# KiCad board klofi.kicad_pcb (continued)
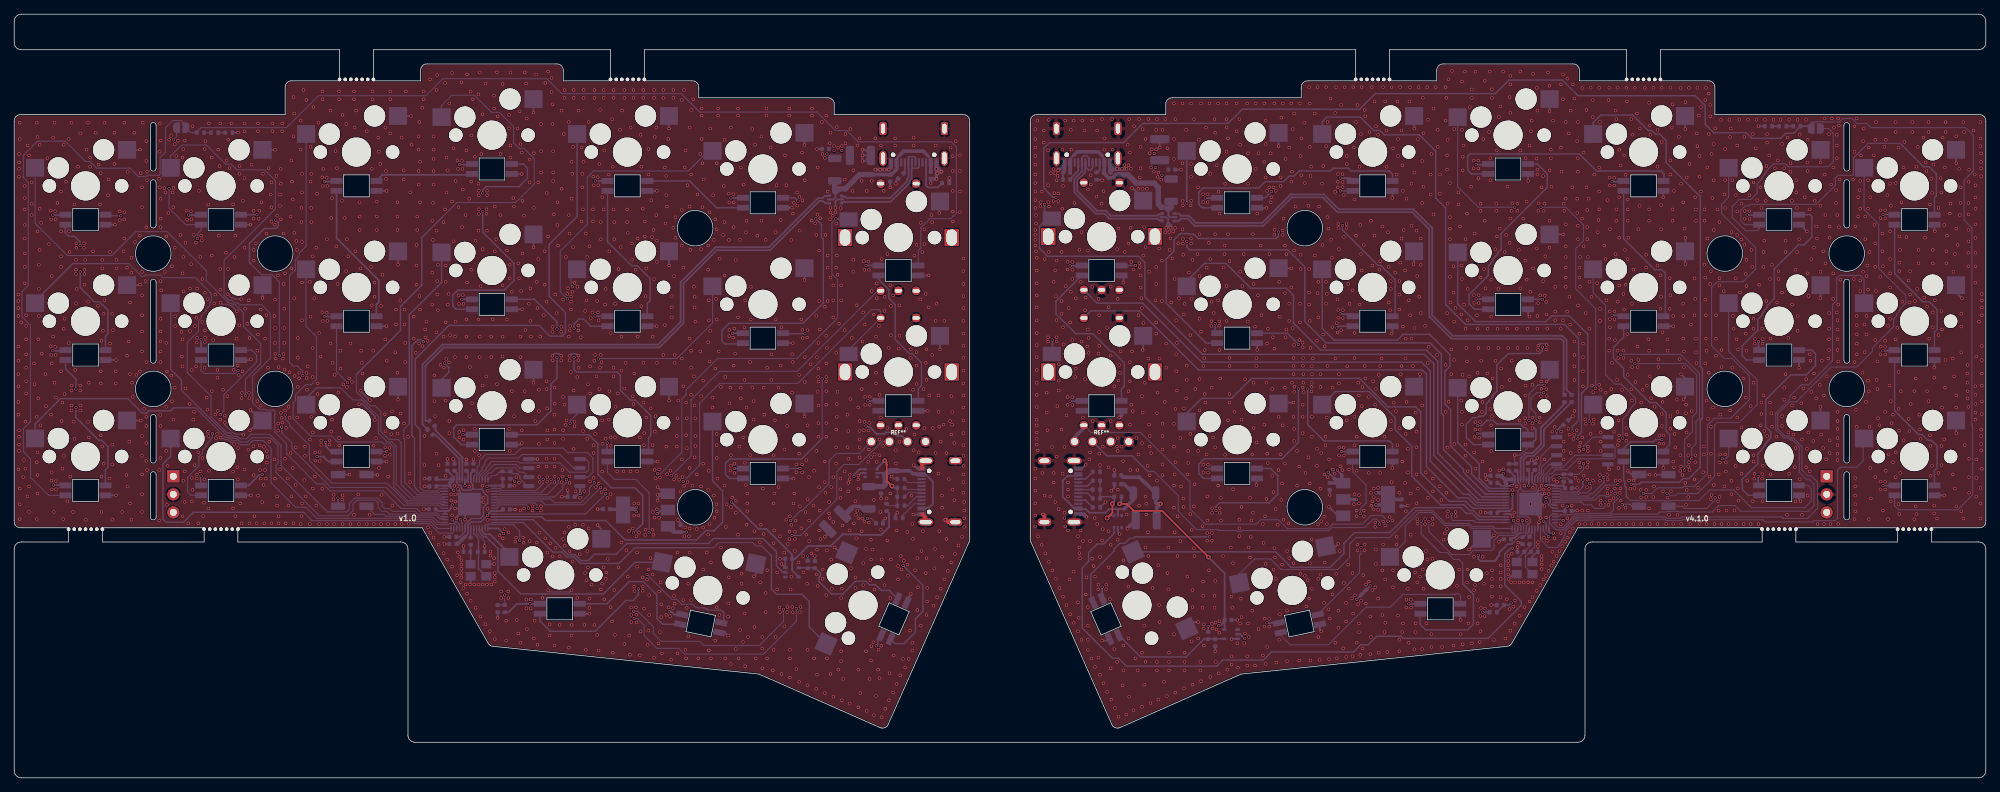
[diagram p0: board, top side]
## Routing (per net, layer and track width the routed paths; a pad name or vN(x,y) marks a point on that pad's centre or on a via; arc(x,y) is an arc through that point) (continued)
v1(83.88,39.92) v1(83.88,24.02) v1(84.08,92.72) v1(84.08,22.02) v1(84.18,86.02) v1(84.18,17.62) v1(84.28,96.82) v1(84.28,95.72) v1(84.28,80.02) v1(84.28,57.72) v1(84.28,56.52) v1(84.38,78.22) v1(84.38,75.82) v1(84.38,26.42) v1(84.48,66.72) v1(84.48,47.92) v1(84.48,20.12) v1(84.58,52.22) v1(84.78,43.15) v1(84.88,54.12) v1(84.98,71.62) v1(84.98,29.62) v1(85.18,91.22) v1(85.28,74.72) v1(85.38,62.12) v1(85.38,57.32) v1(85.38,33.12) v1(85.48,93.92) v1(85.67,43.15) v1(85.78,96.82) v1(85.78,95.72) v1(85.78,54.82) v1(85.78,18.82) v1(85.98,58.42) v1(86.08,32.02) v1(86.18,80.02) v1(86.18,78.22) v1(86.28,76.72) v1(86.28,28.32) v1(86.45,34.75) v1(86.48,20.02) v1(86.58,17.32) v1(86.68,91.52) v1(86.68,43.15) v1(86.74,23.96) v1(86.78,22.92) v1(86.78,21.92) v1(86.88,75.22) v1(86.88,72.92) v1(86.98,53.72) v1(86.96,35.1) v1(87.08,96.82) v1(87.08,95.72) v1(87.08,52.62) v1(87.18,56.92) v1(87.18,38.62) v1(87.18,36.92) v1(87.16,26.92) v1(87.24,26.3) v1(87.38,71.52) v1(87.42,23.99) v1(87.48,34.01) v1(87.5,22.95) v1(87.5,21.88) v1(87.57,43.15) v1(87.58,31.72) v1(87.58,29.72) v1(87.68,75.92) v1(87.68,62.12) v1(87.78,38.62) v1(87.78,36.92) v1(87.85,34.52) v1(87.98,47.92) v1(87.98,17.22) v1(88.08,90.52) v1(88.08,20.62) v1(88.18,86.02) v1(88.18,66.42) v1(88.38,80.12) v1(88.38,28.22) v1(88.38,26.94) v1(88.38,26.32) v1(88.48,96.82) v1(88.48,95.72) v1(88.48,58.42) v1(88.48,52.82) v1(88.58,48.52) v1(88.57,46.82) v1(88.58,23.82) v1(88.68,78.32) v1(88.68,76.22) v1(88.74,34.2) v1(88.78,67.82) v1(88.78,34.92) v1(88.88,71.72) v1(88.88,50.72) v1(88.98,27.92) v1(89.08,18.72) v1(89.18,88.52) v1(89.18,84.92) v1(89.18,29.32) v1(89.18,20.72) v1(89.28,25.72) v1(89.28,22.92) v1(89.48,52.02) v1(89.48,30.92) v1(89.58,81.32) v1(89.68,76.12) v1(89.78,62.12) v1(89.78,46.82) v1(89.81,37.41) v1(89.78,34.92) v1(89.78,28.62) v1(89.88,77.12) v1(89.88,34.22) v1(89.98,96.82) v1(89.98,95.72) v1(89.98,70.22) v1(90.05,43.34) v1(90.05,36.62) v1(89.98,16.92) v1(90.08,90.22) v1(90.08,48.72) v1(90.18,50.92) v1(90.18,42.17) v1(90.28,91.52) v1(90.28,79.22) v1(90.38,75.62) v1(90.38,72.62) v1(90.38,58.42) v1(90.37,37.8) v1(90.58,18.92) v1(90.68,43.42) v1(90.68,36.62) v1(90.68,26.22) v1(90.8,42.28) v1(90.78,20.52) v1(90.88,27.52) v1(90.98,24.42) v1(90.98,22.62) v1(91.08,17.52) v1(91.28,96.82) v1(91.28,95.72) v1(91.28,59.52) v1(91.48,85.92) v1(91.48,63.72) v1(91.58,78.02) v1(91.68,84.72) v1(91.68,82.02) v1(91.68,46.62) v1(91.67,22.94) v1(91.78,80.42) v1(91.79,42.75) v1(91.98,89.92) v1(92.01,24) v1(92.22,22.76) v1(92.28,43.22) v1(92.38,16.62) v1(92.48,67.82) v1(92.48,66.22) v1(92.48,64.82) v1(92.61,23.88) v1(92.68,96.82) v1(92.68,95.72) v1(92.68,77.42) v1(92.78,70.62) v1(92.78,42.02) v1(92.78,25.62) v1(92.88,59.52) v1(92.88,58.42) v1(92.88,24.52) v1(92.98,78.92) v1(92.98,76.02) v1(93.08,42.52) v1(93.18,48.12) v1(93.18,46.62) v1(93.28,50.62) v1(93.28,31.72) v1(93.28,17.52) v1(93.38,53.12) v1(93.49,41.95) v1(93.68,40.32) v1(93.88,95.42) v1(93.88,79.92) v1(93.88,74.92) v1(93.88,59.02) v1(93.88,44.82) v1(93.97,42.34) v1(94.08,71.82) v1(94.08,55.12) v1(94.08,25.02) v1(94.18,96.82) v1(94.2,41.11) v1(94.24,34.03) v1(94.28,85.92) v1(94.38,88.32) v1(94.36,35.25) v1(94.38,18.02) v1(94.48,52.82) v1(94.48,48.22) v1(94.48,16.82) v1(94.58,50.62) v1(94.58,46.42) v1(94.58,23.92) v1(94.68,83.42) v1(94.69,41.62) v1(94.86,34.01) v1(94.78,27.32) v1(94.78,19.92) v1(94.98,91.52) v1(94.98,80.42) v1(94.98,61.82) v1(94.98,43.62) v1(94.97,35.1) v1(94.98,31.72) v1(95.08,74.32) v1(95.18,94.02) v1(95.18,84.92) v1(95.18,60.12) v1(95.18,57.72) v1(95.18,53.92) v1(95.18,25.02) v1(95.38,41.12) v1(95.48,95.52) v1(95.58,69.12) v1(95.58,56.52) v1(95.68,67.72) v1(95.68,66.22) v1(95.68,52.42) v1(95.68,45.12) v1(95.78,64.22) v1(95.78,50.62) v1(95.78,48.12) v1(95.78,46.72) v1(95.98,42.72) v1(95.98,35.02) v1(96.08,82.12) v1(96.18,16.82) v1(96.48,87.82) v1(96.48,60.02) v1(96.58,74.42) v1(96.58,53.72) v1(96.58,41.02) v1(96.68,94.22) v1(96.68,93.22) v1(96.68,89.92) v1(96.78,86.52) v1(96.78,80.32) v1(96.88,55.92) v1(96.88,44.22) v1(96.88,35.22) v1(96.88,29.32) v1(96.98,84.22) v1(97.38,31.72) v1(97.58,74.92) v1(97.58,71.52) v1(97.58,61.32) v1(97.58,40.52) v1(97.58,34.22) v1(97.68,67.22) v1(97.68,64.42) v1(97.68,43.22) v1(97.68,17.95) v1(97.78,79.62) v1(97.78,58.62) v1(97.78,35.72) v1(97.88,91.42) v1(97.88,62.92) v1(97.98,30.32) v1(97.98,16.82) v1(98.18,53.52) v1(98.18,52.12) v1(98.28,82.02) v1(98.38,75.72) v1(98.38,39.72) v1(98.48,36.62) v1(98.58,78.62) v1(98.58,57.62) v1(98.58,19.32) v1(98.68,67.42) v1(98.76,38.52) v1(98.78,86.52) v1(98.78,77.22) v1(98.78,64.52) v1(98.78,48.42) v1(98.78,46.82) v1(98.78,45.02) v1(98.78,37.52) v1(98.78,24.02) v1(98.88,42.12) v1(98.98,94.22) v1(98.98,93.22) v1(99.08,60.02) v1(99.21,73.07) v1(99.18,22.92) v1(99.38,55.02) v1(99.38,32.42) v1(99.68,76.42) v1(99.78,83.32) v1(99.88,89.82) v1(99.88,78.22) v1(99.88,70.72) v1(99.88,41.12) v1(99.98,56.42) v1(99.98,16.82) v1(100.08,35.32) v1(100.18,38.52) v1(100.38,24.52) v1(100.38,22.72) v1(100.48,82.23) v1(100.55,81) v1(100.48,75.72) v1(100.56,63.03) v1(100.53,62.18) v1(100.48,28.22) v1(100.58,52.72) v1(100.68,54.92) v1(100.72,43.25) v1(100.78,91.52) v1(100.78,45.42) v1(100.78,43.92) v1(100.78,38.12) v1(100.78,16.02) v1(100.98,39.44) v1(101.1,82.15) v1(101.08,61.97) v1(101.18,81.02) v1(101.18,77.52) v1(101.18,58.02) v1(101.28,63.22) v1(101.28,44.22) v1(101.28,42.92) v1(101.38,59.72) v1(101.48,72.92) v1(101.48,39.02) v1(101.48,37.32) v1(101.48,18.12) v1(101.78,94.22) v1(101.78,93.22) v1(101.78,64.82) v1(101.78,34.22) v1(101.88,16.82) v1(101.98,46.62) v1(102.08,75.72) v1(102.08,20.82) v1(102.18,85.92) v1(102.18,54.92) v1(102.18,53.42) v1(102.28,28.72) v1(102.28,27.32) v1(102.48,47.92) v1(102.48,19.12) v1(102.58,83.52) v1(102.68,63.42) v1(102.68,56.02) v1(102.74,44.36) v1(102.68,23.12) v1(102.78,67.22) v1(102.78,15.72) v1(102.88,76.82) v1(102.88,41.22) v1(102.98,78.42) v1(102.98,52.12) v1(102.98,35.62) v1(103.08,40.02) v1(103.08,38.62) v1(103.08,37.52) v1(103.18,19.82) v1(103.48,58.52) v1(103.48,45.42) v1(103.58,69.12) v1(103.58,64.52) v1(103.78,91.32) v1(103.78,54.92) v1(103.98,53.02) v1(103.98,50.42) v1(104.08,34.72) v1(104.08,21.22) v1(104.18,89.12) v1(104.28,16.82) v1(104.48,76.32) v1(104.86,33.15) v1(104.88,27.52) v1(104.98,35.62) v1(105.08,90.32) v1(105.08,78.42) v1(105.18,19.82) v1(105.18,18.22) v1(105.18,15.42) v1(105.28,40.72) v1(105.38,54.92) v1(105.38,34.32) v1(105.48,51.12) v1(105.68,75.72) v1(105.68,26.02) v1(105.68,23.32) v1(105.78,94.22) v1(105.78,93.22) v1(105.88,57.72) v1(105.88,29.22) v1(105.88,16.82) v1(106.38,88.72) v1(106.48,59.62) v1(106.48,56.02) v1(106.68,15.12) v1(106.78,45.42) v1(106.78,38.62) v1(106.78,33.02) v1(106.78,18.02) v1(106.88,40.02) v1(106.88,34.82) v1(106.98,50.32) v1(107.08,76.82) v1(107.08,64.52) v1(107.08,19.82) v1(107.18,83.42) v1(107.28,28.92) v1(107.28,26.52) v1(107.48,54.92) v1(107.48,40.92) v1(107.61,23.98) v1(107.68,34.02) v1(107.67,23.33) v1(107.78,78.52) v1(107.78,58.02) v1(107.88,63.42) v1(107.88,14.62) v1(108.28,46.22) v1(108.28,31.72) v1(108.28,21.32) v1(108.38,87.62) v1(108.56,36.32) v1(108.58,83.42) v1(108.68,49.52) v1(108.71,24.04) v1(108.68,23.32) v1(108.78,32.92) v1(108.98,94.22) v1(108.98,93.22) v1(109.02,34.63) v1(109.02,33.61) v1(109.07,36.84) v1(109.08,18.02) v1(109.08,16.82) v1(109.08,14.12) v1(109.18,26.52) v1(109.28,75.72) v1(109.28,35.6) v1(109.28,28.32) v1(109.38,59.62) v1(109.38,54.22) v1(109.39,24.05) v1(109.48,79.42) v1(109.48,58.52) v1(109.48,23.32) v1(109.63,80.95) v1(109.58,38.62) v1(109.68,40.02) v1(109.78,34.62) v1(109.78,33.62) v1(109.78,31.92) v1(109.88,36.22) v1(109.98,44.12) v1(109.98,43.02) v1(109.98,15.32) v1(110.08,82.42) v1(110.09,80.57) v1(110.28,30.32) v1(110.41,81.78) v1(110.38,56.72) v1(110.38,45.62) v1(110.38,13.52) v1(110.48,77.02) v1(110.48,38.22) v1(110.56,24.05) v1(110.48,23.32) v1(110.68,64.52) v1(110.68,35.12) v1(110.78,88.02) v1(110.83,81.3) v1(110.83,63.04) v1(110.78,44.12) v1(110.79,43) v1(110.88,61.92) v1(110.95,31.22) v1(110.98,28.92) v1(111.18,84.12) v1(111.18,59.22) v1(111.18,55.72) v1(111.28,37.42) v1(111.38,44.72) v1(111.38,34.22) v1(111.55,63.02) v1(111.5,61.98) v1(111.48,27.32) v1(111.58,49.62) v1(111.58,39.22) v1(111.58,18.02) v1(111.58,13.02) v1(111.78,42.32) v1(111.78,36.22) v1(111.78,33.32) v1(111.98,58.22) v1(112.13,78.45) v1(112.08,31.58) v1(112.18,94.22) v1(112.18,93.22) v1(112.38,38.32) v1(112.48,43.22) v1(112.48,16.82) v1(112.61,78.06) v1(112.78,76.42) v1(112.78,65.05) v1(112.78,46.02) v1(112.84,28.61) v1(112.78,12.52) v1(112.94,79.26) v1(112.88,59.22) v1(112.88,32.12) v1(112.88,14.52) v1(112.98,85.92) v1(113.04,56.41) v1(112.98,54.32) v1(112.98,27.02) v1(113.08,61.22) v1(113.08,57.62) v1(113.12,55.77) v1(113.08,52.42) v1(113.08,49.92) v1(113.08,48.02) v1(113.18,74.22) v1(113.18,67.12) v1(113.18,40.92) v1(113.18,34.82) v1(113.33,78.78) v1(113.28,63.12) v1(113.28,37.62) v1(113.38,33.62) v1(113.58,92.32) v1(113.65,87.82) v1(113.68,29.32) v1(113.68,28.02) v1(114,87.26) v1(113.98,66.32) v1(113.98,44.52) v1(113.98,41.62) v1(113.98,11.92) v1(114.08,76.42) v1(114.08,40.12) v1(114.18,93.22) v1(114.18,62.22) v1(114.18,58.32) v1(114.18,56.42) v1(114.18,55.82) v1(114.18,54.42) v1(114.18,52.52) v1(114.18,49.92) v1(114.18,48.02) v1(114.18,25.72) v1(114.28,60.52) v1(114.28,32.02) v1(114.28,16.82) v1(114.38,82.52) v1(114.38,73.52) v1(114.38,71.82) v1(114.38,67.12) v1(114.58,38.82) v1(114.58,37.22) v1(114.68,89.32) v1(114.71,78.63) v1(114.68,36.57) v1(114.78,90.82) v1(114.78,80.22) v1(114.78,79.59) v1(114.78,70.42) v1(114.78,14.62) v1(114.88,40.92) v1(114.88,30.72) v1(114.98,26.62) v1(115.1,79.12) v1(115.18,69.32) v1(115.18,67.22) v1(115.18,64.82) v1(115.18,42.32) v1(115.18,36.02) v1(115.18,11.42) v1(115.28,88.94) v1(115.48,79.62) v1(115.58,78.02) v1(115.58,71.82) v1(115.58,59.82) v1(115.58,49.02) v1(115.58,46.52) v1(115.58,44.22) v1(115.68,91.62) v1(115.68,73.52) v1(115.68,52.62) v1(115.68,50.82) v1(115.85,88.7) v1(115.78,70.82) v1(115.78,54.32) v1(115.88,15.22) v1(115.98,63.92) v1(116.18,80.22) v1(116.18,42.12) v1(116.18,40.62) v1(116.18,39.42) v1(116.28,69.32) v1(116.28,67.22) v1(116.28,25.32) v1(116.28,17.82) v1(116.28,16.42) v1(116.38,88.94) v1(116.38,26.62) v1(116.38,10.92) v1(116.48,35.52) v1(116.58,13.92) v1(116.78,84.22) v1(116.78,63.02) v1(116.78,43.12) v1(116.88,90.62) v1(116.88,89.32) v1(117.18,51.12) v1(117.18,46.52) v1(117.28,48.82) v1(117.28,44.92) v1(117.28,41.52) v1(117.28,40.32) v1(117.49,42.65) v1(117.48,42.02) v1(117.48,34.82) v1(117.48,10.42) v1(117.58,91.32) v1(117.58,53.32) v1(117.68,29.52) v1(117.78,61.92) v1(117.88,82.62) v1(117.98,85.52) v1(117.98,72.92) v1(117.98,71.22) v1(118.08,35.82) v1(118.28,38.92) v1(118.36,37.02) v1(118.28,28.22) v1(118.28,26.72) v1(118.38,33.72) v1(118.48,66.52) v1(118.53,37.56) v1(118.58,89.02) v1(118.68,52.12) v1(118.68,42.02) v1(118.68,40.72) v1(118.74,36.54) v1(118.68,15.22) v1(118.68,9.92) v1(118.88,90.02) v1(118.88,50.22) v1(118.88,48.82) v1(118.88,47.62) v1(118.88,46.52) v1(118.88,45.12) v1(118.98,11.92) v1(119.18,84.02) v1(119.18,54.72) v1(119.18,34.72) v1(119.28,61.42) v1(119.28,36.52) v1(119.38,65.52) v1(119.38,30.22) v1(119.38,27.12) v1(119.48,72.73) v1(119.55,71.5) v1(119.54,50.1) v1(119.48,48.92) v1(119.53,36.08) v1(119.58,63.82) v1(119.66,53.64) v1(119.66,52.5) v1(119.78,32.22) v1(119.78,17.82) v1(119.88,82.62) v1(119.88,9.42) v1(120.1,72.65) v1(120.1,48.89) v1(120.08,44.48) v1(120.18,71.52) v1(120.22,49.96) v1(120.18,46.22) v1(120.18,35.93) v1(120.28,53.64) v1(120.28,52.5) v1(120.28,13.92) v1(120.38,27.82) v1(120.49,45.15) v1(120.48,33.52) v1(120.48,30.72) v1(120.53,18.52) v1(120.48,16.52) v1(120.58,84.02) v1(120.58,68.52) v1(120.68,32.12) v1(120.81,19.08) v1(120.88,65.22) v1(120.88,39.12) v1(120.88,8.82) v1(120.98,45.52) v1(120.98,45.52) v1(120.98,26.52) v1(121.08,90.02) v1(121.18,62.12) v1(121.18,57.02) v1(121.18,55.52) v1(121.18,11.52) v1(121.28,69.62) v1(121.28,67.52) v1(121.28,44.48) v1(121.53,18.04) v1(121.48,15.22) v1(121.58,63.62) v1(121.68,53.92) v1(121.68,47.62) v1(121.68,45.4) v1(121.68,14.02) v1(121.78,37.42) v1(121.88,89.02) v1(121.88,50.72) v1(121.88,34.92) v1(121.91,18.58) v1(121.98,73.02) v1(121.98,30.72) v1(121.98,8.52) v1(122.18,46.72) v1(122.28,82.62) v1(122.38,67.72) v1(122.38,65.72) v1(122.38,27.12) v1(122.48,9.72) v1(122.68,39.32) v1(122.78,73.72) v1(122.78,49.22) v1(122.78,33.42) v1(122.98,60.52) v1(122.98,10.92) v1(123.08,14.72) v1(123.18,69.32) v1(123.18,40.02) v1(123.18,25.32) v1(123.28,66.42) v1(123.28,62.32) v1(123.28,30.72) v1(123.58,67.92) v1(123.58,12.02) v1(123.68,17.22) v1(123.88,90.02) v1(123.88,89.02) v1(123.98,46.12) v1(123.98,44.22) v1(124.08,34.82) v1(124.08,13.22) v1(124.28,29.82) v1(124.28,27.92) v1(124.38,60.42) v1(124.48,66.52) v1(124.48,62.22) v1(124.48,47.32) v1(124.58,14.42) v1(124.68,31.22) v1(124.74,29.34) v1(124.98,16.72) v1(125.1,30.53) v1(125.28,15.52) v1(125.48,49.12) v1(125.58,34.62) v1(125.59,30.02) v1(125.68,28.42) v1(125.78,16.72) v1(125.98,20.72) v1(126.08,60.32) v1(126.08,59.12) v1(126.18,39.72) v1(126.28,35.72) v1(126.28,19.02) v1(126.28,17.92) v1(126.38,54.62) v1(126.38,33.62) v1(126.48,90.12) v1(126.48,89.02) v1(126.48,46.12) v1(126.58,73.52) v1(126.58,48.32) v1(126.68,29.22) v1(126.88,75.02) v1(126.88,59.92) v1(126.88,58.02) v1(126.88,55.42) v1(126.98,30.92) v1(126.98,23.62) v1(127.08,26.82) v1(127.18,45.82) v1(127.38,67.32) v1(127.48,78.12) v1(127.48,21.42) v1(127.58,31.92) v1(127.68,74.02) v1(127.78,34.72) v1(127.88,54.72) v1(127.98,77.22) v1(127.98,75.12) v1(127.98,49.22) v1(128.18,68.12) v1(128.18,58.42) v1(128.18,28.82) v1(128.28,60.32) v1(128.28,56.02) v1(128.28,30.92) v1(128.28,22.92) v1(128.38,26.72) v1(128.38,24.82) v1(128.58,66.22) v1(128.68,53.82) v1(128.98,79.22) v1(129.08,78.22) v1(129.08,59.52) v1(129.18,49.22) v1(129.28,24.22) v1(129.38,29.52) v1(129.48,32.22) v1(129.58,89.02) v1(129.58,64.32) v1(129.58,45.72) v1(129.68,66.72) v1(129.78,25.42) v1(129.98,53.82) v1(129.98,51.52) v1(129.98,42.82) v1(130.08,49.42) v1(130.08,34.72) v1(130.28,47.32) v1(130.28,26.62) v1(130.48,39.72) v1(130.48,38.02) v1(130.48,31.12) v1(130.68,49.72) v1(130.78,64.32) v1(130.78,27.92) v1(131.08,45.72) v1(131.08,33.62) v1(131.28,29.12) v1(131.43,42.07) v1(131.58,50.22) v1(131.68,88.72) v1(131.78,53.72) v1(131.78,48.32) v1(131.78,30.32) v1(131.88,51.52) v1(131.88,49.72) v1(131.93,40.57) v1(131.98,87.52) v1(131.98,85.42) v1(131.98,82.62) v1(131.98,79.72) v1(131.98,78.32) v1(132.18,47.12) v1(132.18,39.07) v1(132.28,31.52) v1(132.38,89.62) v1(132.78,32.72) v1(132.98,87.62) v1(132.98,85.42) v1(132.98,82.52) v1(132.98,79.62) v1(133.28,33.92) v1(133.48,73.12) v1(133.48,71.32) v1(133.48,69.52) v1(133.48,67.82) v1(133.48,66.12) v1(133.48,64.32) v1(133.48,62.52) v1(133.48,60.82) v1(133.48,59.12) v1(133.48,57.32) v1(133.48,55.52) v1(133.48,53.82) v1(133.48,52.12) v1(133.48,50.32) v1(133.48,48.52) v1(133.48,46.82) v1(133.48,45.32) v1(133.48,43.92) v1(133.48,42.72) v1(133.48,41.62) v1(133.48,40.12) v1(133.58,38.82) v1(133.58,37.62) v1(133.58,36.52) v1(133.58,35.32)
GNDR: length 150.9
  Front w0.508: J6.S3 144.86,36.88 v1(144.68,37.07)
  Back w0.152: v1(152.68,44.02) 152.69,44.01 rR8.1 ; v1(213.38,44.72) 213.8,44.3 rC9.2 ; v1(213.38,44.72) 212.95,44.3 rC16.2 ; v1(213.38,44.72) 213.88,44.72 v1(214.18,45.02) ; v1(153.43,38.82) 153.43,38.81 ; rLED16.3 212.85,46.52 211.75,45.42 v1(210.98,45.42) 210.98,44.4 rC17.2 ; v1(253.99,86.62) rSW2.2 ; 156.58,35.19 v1(156.58,35.07)
  Back w0.203: v1(219.78,37.62) 219.38,37.62 219.3,37.54 rC11.2 ; v1(215.49,60.92) 215.28,61.12 214.57,61.12 v1(214.29,60.85) ; v1(211.38,32.48) rC23.2 ; v1(214.24,32.6) rC22.2 ; v1(211.48,33.12) 211.88,33.12 rC10.2 ; rU5.19 214.22,35.81 v1(214.39,35.98) ; 153.43,38.81 rR7.1 ; rR2.2 v1(207.68,24.32)
  Back w0.254: v1(157.18,83.02) 157.28,83.02 158.74,81.55 rEXSW1.S1 ; rC12.2 v1(206.88,37.32) ; v1(253.98,52.22) 253.98,50.32 rSW14.2 ; v1(193.78,81.62) 193.8,81.64 rLED5.3 ; rC22.2 214.15,31.82 213.48,31.15 rY1.4 ; rC3.2 218.61,50.36 v1(219.18,50.92) ; v1(271.38,39.72) 271.33,39.76 rLED13.3 ; rSW18.2 177.93,52.82 v1(179.88,52.82) ; rLED4.3 212.85,84.04 v1(212.88,84.02) ; rR18.2 v1(245.26,91.72) ; rSW13.2 273.04,48.55 v1(273.08,48.52) ; v1(193.78,43.62) 193.8,43.64 rLED17.3 ; v1(273.08,86.52) 273.04,86.55 rSW1.2 ; rLED20.3 183.58,20.81 v1(183.78,20.62) ; rC20.2 154.7,43.3 v1(154.68,43.32) ; v1(231.88,43.62) 231.9,43.64 rLED15.3 ; v1(213.22,38.54) 213.22,39.36 213.87,40.01 213.94,40.01 214.35,40.42 214.35,40.48 v1(214.49,40.63) ; v1(213.22,38.54) 214.85,38.54 v1(215.15,38.24) ; v1(213.22,38.54) 213.22,37.97 v1(214.63,36.56) ; v1(213.22,38.54) 213.7,38.54 v1(215.2,40.05) ; v1(213.22,38.54) 212.65,39.11 ; v1(206.98,42.02) 207.1,42.02 rC13.2 ; rLED8.3 250.95,57.74 v1(250.98,57.72) ; v1(155.98,69.72) 155.98,70.44 rEXLED1.3 ; v1(273.88,67.52) 273.04,68.35 rSW7.2 ; v1(179.58,71.72) 177.81,71.72 rSW12.2 ; 162.27,78.02 162.27,78.63 161.98,78.92 161.52,78.92 ; v1(213.08,64.92) 212.85,65.14 rLED10.3 ; v1(208.78,33.22) 209.08,33.52 209.44,33.52 rC8.2 ; v1(234.98,72.32) 234.94,72.35 rSW9.2 234.98,74.15 v1(234.98,76.02) ; v1(234.38,56.82) 234.94,56.25 rSW15.2 234.94,53.49 v1(234.73,53.27) ; v1(166.48,21.92) 165.79,21.92 rSW21.2 ; v1(154.28,40.42) 154.7,40.84 rC21.2 ; rY1.2 210.81,28.67 v1(210.12,27.98) ; v1(174.68,41.22) 174.68,42.07 rLED18.3 ; v1(270.08,76.92) 270,76.99 rLED1.3 ; v1(193.68,62.52) 193.8,62.64 rLED11.3 ; v1(203.38,22.22) 203.33,22.27 rLED19.3 ; v1(233.28,63.57) rLED9.3 ; v1(215.47,55.77) 215.89,56.2 rSW16.2 ; v1(204.58,32.12) 206.09,33.63 rSW19.2 207.59,33.63 v1(208.08,34.12) ; rSW5.2 196.84,91.45 v1(196.88,91.42) ; v1(168.88,17.82) rC25.2 ; J6.B1 150.13,43.52 v1(150.68,44.07) ; rSMDSW2.1 230.84,42.68 v1(230.78,42.62) ; rLED3.3 231.9,81.74 v1(231.88,81.72) ; v1(152.98,84.12) 152.89,84.21 rR6.1 ; rU6.3 171.23,19.57 v1(171.18,19.52) ; rEXSW2.S1 158.74,60.29 v1(158.68,60.22) ; v1(213.48,49.22) 213.71,49.22 213.96,48.97 213.96,47.64 213.22,46.9 rLED16.3 ; rU5.32 210.35,37.14 v1(210.68,36.82) ; v1(177.79,88.92) rSW6.2 ; v1(219.78,40.82) 219.72,40.76 rC15.2 ; rSW17.2 197.68,55.9 v1(197.68,56.82) ; rSMDSW1.1 228.48,42.63 v1(227.7,41.85) ; rSMDSW1.1 v1(229.98,42.68) ; rSMDSW1.1 227.41,42.68 v1(226.88,43.22) ; rLED6.3 174.77,80.22 v1(176.08,80.22) ; rSW3.2 234.94,91.35 v1(234.98,91.32) ; rC24.2 v1(171.98,22.22) ; v1(186.18,32.92) 185.81,32.56 rSW20.2 ; rC2.2 195.9,38.24 v1(195.98,38.32) ; v1(152.98,19.32) 153.8,19.32 rLED21.3 ; rU4.2 155.18,34.57 v1(155.43,34.32) ; v1(184.98,39.82) rC1.2 ; v1(253.98,67.52) 253.99,67.54 rSW8.2 ; rC4.2 v1(161.08,88.72) ; rLED12.3 174.78,61.17 v1(174.78,60.22) ; v1(269.98,57.72) 270,57.74 rLED7.3 ; rC5.2 v1(164.08,85.62) ; v1(251.18,38.92) 250.95,39.14 rLED14.3 ; rU1.1 186.11,36.88 v1(184.88,38.12) ; rU3.4 224.09,43.61 v1(224.28,43.42) ; v1(215.89,93.82) rSW4.2 ; rC14.2 206.98,42.52 v1(206.88,42.62) ; rC18.2 rC17.2 ; rR5.1 147.47,85.19 rC6.2 ; rSW11.2 196.84,72.39 v1(196.78,72.32) ; v1(252.08,76.92) 251.13,77.86 rLED2.3 ; v1(217.78,76.5) rSW10.2
  Back w0.508: v1(156.4,85.72) 154.88,85.72 154.08,86.53 J5.B1 154.08,85.3 rC7.2 154.66,85.72 v1(155.08,85.72) ; J6.A1 150.38,37.12 v1(150.78,36.72) ; rC19.2 156.58,35.19 ; v1(146.78,85.52) 147.68,86.42 J5.A1 147.68,85.4 rC6.2 ; v1(162.6,77.42) 162.6,77.69 162.27,78.02 162.27,77.71 v1(161.98,77.42) ; v1(155.39,50.72) 155.7,51.03 rEXLED2.3
  vias: v1(143.58,91.32) v1(143.58,89.92) v1(143.58,88.72) v1(143.58,87.52) v1(143.58,86.32) v1(143.58,84.92) v1(143.58,83.72) v1(143.58,82.52) v1(143.58,81.32) v1(143.58,80.22) v1(143.58,77.12) v1(143.58,76.42) v1(143.58,75.72) v1(143.58,74.92) v1(143.58,43.52) v1(143.58,42.12) v1(143.58,40.42) v1(143.58,38.62) v1(143.58,36.92) v1(143.58,35.4) v1(143.68,79.22) v1(143.68,78.02) v1(143.68,74.12) v1(143.78,73.2) v1(143.78,71.4) v1(143.78,69.6) v1(143.78,67.9) v1(143.78,66.2) v1(143.78,64.4) v1(143.78,62.6) v1(143.78,60.9) v1(143.78,59.2) v1(143.78,57.4) v1(143.78,55.6) v1(143.78,53.9) v1(143.78,52.2) v1(143.78,50.4) v1(143.78,49.62) v1(143.78,48.6) v1(143.78,47.72) v1(143.78,46.9) v1(143.88,92.52) v1(143.93,46.07) v1(143.98,34) v1(144.34,81.04) v1(144.29,80.49) v1(144.48,82.52) v1(144.48,32.8) v1(144.58,42.92) v1(144.78,91.12) v1(144.78,89.42) v1(144.88,73.02) v1(144.88,39.72) v1(144.98,31.6) v1(145.18,54.22) v1(145.18,51.42) v1(145.28,48.92) v1(145.38,88.32) v1(145.38,83.42) v1(145.41,81.04) v1(145.38,62.02) v1(145.38,61.42) v1(145.48,92.62) v1(145.5,80.42) v1(145.48,74.02) v1(145.48,30.4) v1(145.68,39.62) v1(145.78,85.12) v1(145.93,46.57) v1(145.98,29.2) v1(146.14,85.7) v1(146.15,81.18) v1(146.24,82.3) v1(146.18,69.82) v1(146.18,42.92) v1(146.18,41.57) v1(146.38,85.12) v1(146.38,71.42) v1(146.38,38.82) v1(146.48,67.82) v1(146.48,28) v1(146.58,84.12) v1(146.58,72.82) v1(146.58,64.42) v1(146.58,62.02) v1(146.58,61.42) v1(146.58,45.22) v1(146.71,84.73) v1(146.68,52.32) v1(146.8,82.25) v1(146.8,81.18) v1(146.88,58.22) v1(146.88,55.92) v1(146.88,54.52) v1(146.88,37.82) v1(146.98,26.7) v1(147.28,74.02) v1(147.28,67.12) v1(147.28,65.32) v1(147.28,49.02) v1(147.38,88.42) v1(147.38,80.12) v1(147.43,42.82) v1(147.48,83.32) v1(147.48,63.42) v1(147.48,25.5) v1(147.58,61.02) v1(147.68,46.57) v1(147.68,37.32) v1(147.68,36.57) v1(147.78,92.52) v1(147.78,35.42) v1(147.88,69.22) v1(147.98,51.02) v1(147.98,24.3) v1(148.14,72.64) v1(148.12,71.55) v1(148.14,53.6) v1(148.12,52.5) v1(148.18,41.57) v1(148.18,40.57) v1(148.18,39.62) v1(148.18,34.82) v1(148.28,66.12) v1(148.38,27.92) v1(148.48,64.12) v1(148.48,23.02) v1(148.58,91.22) v1(148.58,68.42) v1(148.68,88.42) v1(148.76,72.62) v1(148.79,71.52) v1(148.78,70.22) v1(148.78,61.64) v1(148.76,53.57) v1(148.79,52.48) v1(148.98,92.52) v1(148.98,29.02) v1(148.98,21.82) v1(149.08,80.92) v1(149.18,56.42) v1(149.28,67.52) v1(149.28,57.62) v1(149.58,34.02) v1(149.58,24.72) v1(149.58,20.62) v1(149.68,22.52) v1(149.78,74.32) v1(149.78,32.42) v1(149.78,31.62) v1(149.93,34.82) v1(149.88,30.92) v1(149.98,69.82) v1(150.08,76.82) v1(150.08,61.42) v1(150.08,19.42) v1(150.18,92.52) v1(150.28,50.72) v1(150.28,33.32) v1(150.48,91.12) v1(150.58,65.82) v1(150.58,56.12) v1(150.68,67.62) v1(150.68,25.82) v1(150.78,28.22) v1(150.88,60.72) v1(150.98,82.82) v1(150.98,74.22) v1(150.98,63.12) v1(150.98,24.02) v1(150.98,21.42) v1(150.98,19.42) v1(150.98,18) v1(151.08,61.92) v1(151.08,59.82) v1(151.18,44.82) v1(151.28,45.82) v1(151.28,33.32) v1(151.38,84.82) v1(151.38,83.52) v1(151.48,16.8) v1(151.58,92.52) v1(151.58,69.12) v1(151.57,30.84) v1(151.68,50.22) v1(151.78,29.82) v1(151.93,36.57) v1(151.98,28.32) v1(151.98,15.6) v1(152.18,81.82) v1(152.28,91.12) v1(152.28,35.72) v1(152.46,27.2) v1(152.43,26.53) v1(152.48,67.42) v1(152.55,65.12) v1(152.54,62.76) v1(152.48,59.72) v1(152.48,16.92) v1(152.58,60.82) v1(152.58,45.62) v1(152.68,31.07) v1(152.68,14.5) v1(152.93,80.82) v1(152.98,92.72) v1(152.98,33.42) v1(153.08,46.62) v1(153.08,35.02) v1(153.18,82.57) v1(153.18,13.3) v1(153.28,90.02) v1(153.28,88.42) v1(153.55,27.18) v1(153.53,26.55) v1(153.68,63.32) v1(153.68,12.1) v1(153.88,66.25) v1(153.88,43.72) v1(153.88,34.72) v1(153.88,29.62) v1(154.07,25.15) v1(154.18,69.12) v1(154.18,59.42) v1(154.18,50.22) v1(154.18,32.82) v1(154.18,15.42) v1(154.28,11) v1(154.38,92.72) v1(154.48,88.42) v1(154.68,55.12) v1(154.68,18.12) v1(154.78,9.8) v1(155.08,74.42) v1(155.08,46.62) v1(155.08,16.32) v1(155.18,67.42) v1(155.18,47.82) v1(155.18,46.02) v1(155.18,40.57) v1(155.18,33.52) v1(155.28,77.32) v1(155.28,55.92) v1(155.28,8.6) v1(155.38,58.12) v1(155.48,57.02) v1(155.58,60.02) v1(155.68,46.62) v1(155.78,85.72) v1(155.93,44.57) v1(155.88,13.02) v1(155.98,30.62) v1(155.98,18.62) v1(155.98,15.12) v1(156.1,86.25) v1(156.18,74.02) v1(156.43,37.07) v1(156.38,8.9) v1(156.58,89.12) v1(156.68,86.22) v1(156.68,75.22) v1(156.68,54.42) v1(156.68,26.92) v1(156.68,19.62) v1(156.78,92.72) v1(156.78,11.42) v1(156.88,88.02) v1(156.88,58.52) v1(156.88,55.82) v1(156.88,49.72) v1(156.93,43.32) v1(157.03,85.72) v1(156.98,77.42) v1(157.08,72.62) v1(157.08,52.52) v1(157.18,60.02) v1(157.28,51.62) v1(157.4,71.56) v1(157.38,9.5) v1(157.48,91.72) v1(157.68,16.82) v1(157.78,47.82) v1(157.93,43.32) v1(157.98,15.12) v1(158.08,82.92) v1(158.08,65.12) v1(158.08,45.52) v1(158.18,92.72) v1(158.21,72.44) v1(158.26,71.89) v1(158.18,38.32) v1(158.28,84.52) v1(158.38,88.82) v1(158.38,85.82) v1(158.38,70.72) v1(158.38,69.02) v1(158.48,67.52) v1(158.58,66.12) v1(158.58,53.72) v1(158.58,47.12) v1(158.58,17.62) v1(158.58,10) v1(158.68,91.32) v1(158.68,82.92) v1(158.68,51.42) v1(158.78,73.52) v1(158.78,64.02) v1(158.88,77.52) v1(158.88,21.42) v1(158.88,13.12) v1(158.98,55.62) v1(159.08,89.92) v1(159.08,74.72) v1(159.08,39.62) v1(159.08,32.42) v1(159.08,16.32) v1(159.18,38.57) v1(159.18,37.07) v1(159.28,82.92) v1(159.38,43.92) v1(159.43,34.57) v1(159.48,92.72) v1(159.48,59.02) v1(159.48,31.22) v1(159.58,71.22) v1(159.58,49.72) v1(159.67,87.92) v1(159.68,48.12) v1(159.68,46.62) v1(159.68,42.57) v1(159.85,85.92) v1(159.78,10.5) v1(159.88,45.72) v1(159.97,88.48) v1(160.08,26.72) v1(160.27,85.33) v1(160.48,67.22) v1(160.58,91.22) v1(160.57,88.45) v1(160.58,71.92) v1(160.58,69.52) v1(160.58,64.12) v1(160.58,62.52) v1(160.68,92.72) v1(160.68,51.32) v1(160.68,41.82) v1(160.68,16.32) v1(160.68,15.12) v1(160.79,84.59) v1(160.78,54.22) v1(160.89,85.21) v1(160.88,29.92) v1(160.88,11) v1(160.98,74.52) v1(160.98,24.32) v1(161.08,59.02) v1(161.08,21.92) v1(161.27,84.2) v1(161.38,72.82) v1(161.38,67.12) v1(161.48,91.22) v1(161.48,49.82) v1(161.48,48.12) v1(161.48,46.22) v1(161.48,44.12) v1(161.48,42.62) v1(161.68,13.52) v1(161.85,76.81) v1(161.78,52.92) v1(161.88,92.72) v1(161.98,61.12) v1(162.01,57.72) v1(162.08,11.5) v1(162.18,88.62) v1(162.18,28.82) v1(162.28,32.42) v1(162.28,26.52) v1(162.41,76.82) v1(162.38,17.62) v1(162.38,16.32) v1(162.38,15.12) v1(162.48,74.32) v1(162.58,75.92) v1(162.68,66.92) v1(162.88,73.12) v1(162.98,76.92) v1(163.08,94.92) v1(163.08,89.92) v1(163.08,87.12) v1(163.08,49.82) v1(163.08,46.62) v1(163.08,41.12) v1(163.08,38.02) v1(163.08,20.22) v1(163.23,77.42) v1(163.18,70.22) v1(163.18,42.72) v1(163.18,34.57) v1(163.28,92.72) v1(163.28,51.92) v1(163.28,44.42) v1(163.28,12) v1(163.38,64.42) v1(163.38,59.62) v1(163.38,57.22) v1(163.48,61.22) v1(163.48,54.52) v1(163.58,36.82) v1(163.58,31.22) v1(163.68,75.22) v1(163.78,67.52) v1(163.98,47.82) v1(163.98,33.32) v1(164.08,41.02) v1(164.28,94.92) v1(164.28,86.52) v1(164.32,81.2) v1(164.34,80.6) v1(164.28,77.22) v1(164.34,75.84) v1(164.33,75.21) v1(164.38,73.62) v1(164.43,39.32) v1(164.43,38.12) v1(164.48,65.22) v1(164.48,52.02) v1(164.48,12.6) v1(164.58,66.72) v1(164.58,17.62) v1(164.58,16.32) v1(164.58,15.12) v1(164.78,91.22) v1(164.78,53.42) v1(164.88,58.02) v1(164.88,56.02) v1(164.98,42.72) v1(164.98,28.32) v1(165.08,46.02) v1(165.08,44.32) v1(165.18,71.12) v1(165.41,80.6) v1(165.38,62.32) v1(165.38,48.42) v1(165.38,37.12) v1(165.48,94.92) v1(165.48,86.42) v1(165.48,84.62) v1(165.49,81.22) v1(165.48,75.92) v1(165.48,75.22) v1(165.58,67.42) v1(165.58,34.92) v1(165.58,19.22) v1(165.68,72.92) v1(165.68,26.42) v1(165.68,24.02) v1(165.68,13.1) v1(165.88,92.72) v1(165.88,38.22) v1(165.88,32.32) v1(165.98,41.32) v1(165.98,31.22) v1(166.08,54.72) v1(166.38,73.72) v1(166.48,83.12) v1(166.48,46.02) v1(166.48,19.62) v1(166.58,89.82) v1(166.68,76.52) v1(166.68,70.62) v1(166.68,64.62) v1(166.68,56.12) v1(166.68,51.72) v1(166.78,16.32) v1(166.78,15.12) v1(166.88,94.92) v1(166.88,62.82) v1(166.88,13.6) v1(167.16,82.16) v1(167.08,35.42) v1(167.08,23.92) v1(167.19,81.06) v1(167.22,57.98) v1(167.22,44.1) v1(167.2,43) v1(167.18,27.62) v1(167.18,25.62) v1(167.32,59.09) v1(167.28,21.62) v1(167.28,21.02) v1(167.28,18.62) v1(167.38,60.22) v1(167.38,54.02) v1(167.48,52.82) v1(167.58,91.52) v1(167.68,71.82) v1(167.68,45.52) v1(167.75,34.45) v1(167.75,33.38) v1(167.83,82.13) v1(167.81,81.04) v1(167.84,44.07) v1(167.78,39.62) v1(167.78,36.22) v1(167.86,42.98) v1(167.98,75.32) v1(167.98,29.22) v1(168.08,94.92) v1(168.18,85.02) v1(168.18,73.02) v1(168.18,14.2) v1(168.36,64.27) v1(168.33,63.61) v1(168.38,67.02) v1(168.38,54.92) v1(168.44,37.94) v1(168.44,37.3) v1(168.41,34.46) v1(168.4,33.38) v1(168.41,21.66) v1(168.48,21.02) v1(168.58,47.92) v1(168.68,65.42) v1(168.78,92.72) v1(168.78,25.62) v1(168.78,23.92) v1(168.88,90.82) v1(168.88,76.52) v1(168.88,46.52) v1(168.88,27.72) v1(168.93,21.85) v1(169.05,20.88) v1(168.98,16.32) v1(169.08,86.22) v1(169.28,94.92) v1(169.34,82.5) v1(169.28,67.22) v1(169.28,41.12) v1(169.45,64.25) v1(169.43,63.63) v1(169.38,14.7) v1(169.48,79.42) v1(169.48,60.22) v1(169.51,37.94) v1(169.51,37.3) v1(169.48,22.04) v1(169.47,20.41) v1(169.58,56.22) v1(169.68,39.42) v1(169.68,36.22) v1(169.98,31.22) v1(170.08,71.82) v1(170.18,74.92) v1(170.18,73.72) v1(170.26,45.47) v1(170.28,83.62) v1(170.48,94.92) v1(170.48,92.72) v1(170.48,91.52) v1(170.48,88.12) v1(170.48,69.22) v1(170.48,64.32) v1(170.58,15.2) v1(170.68,90.02) v1(170.68,76.52) v1(170.68,50.32) v1(170.86,59.11) v1(170.88,72.72) v1(170.88,57.98) v1(170.88,54.02) v1(170.88,52.82) v1(171.08,32.42) v1(171.18,25.52) v1(171.18,17.12) v1(171.18,15.92) v1(171.28,23.92) v1(171.38,40.62) v1(171.38,30.22) v1(171.58,51.52) v1(171.88,94.92) v1(171.88,91.02) v1(171.98,18.92) v1(172.08,15.5) v1(172.28,92.72) v1(172.28,36.32) v1(172.28,35.12) v1(172.28,34.02) v1(172.38,89.12) v1(172.38,71.22) v1(172.38,21.72) v1(172.48,25.22) v1(172.58,50.42) v1(172.58,38.12) v1(172.58,22.62) v1(172.68,69.22) v1(172.88,73.72) v1(172.95,18.98) v1(173.08,56.12) v1(173.08,20.32) v1(173.38,94.92) v1(173.38,17.12) v1(173.38,15.8) v1(173.48,87.92) v1(173.48,83.62) v1(173.48,64.22) v1(173.48,21.72) v1(173.58,32.42) v1(173.59,19.82) v1(173.78,39.42) v1(173.78,31.02) v1(173.88,33.92) v1(173.98,36.22) v1(174.08,45.52) v1(174.08,23.52) v1(174.18,76.52) v1(174.18,37.32) v1(174.28,69.52) v1(174.28,55.62) v1(174.28,49.22) v1(174.48,63.52) v1(174.48,15.8) v1(174.58,94.92) v1(174.58,85.72) v1(174.65,59.07) v1(174.63,57.96) v1(174.68,47.22) v1(174.78,79.42) v1(174.88,67.92) v1(174.98,87.92) v1(174.98,20.92) v1(175.28,74.92) v1(175.38,65.12) v1(175.58,35.72) v1(175.58,17.22) v1(175.68,33.07) v1(175.78,94.92) v1(175.78,86.72) v1(175.78,49.72) v1(175.82,22.4) v1(175.8,21.3) v1(175.88,36.82) v1(175.98,92.52) v1(175.98,89.22) v1(175.98,84.52) v1(175.98,30.12) v1(175.98,16.02) v1(176.16,82.62) v1(176.08,55.62) v1(176.08,39.25) v1(176.18,61.12) v1(176.18,45.62) v1(176.18,18.42) v1(176.28,63.22) v1(176.28,44.32) v1(176.44,22.37) v1(176.48,83.12) v1(176.48,73.72) v1(176.46,21.28) v1(176.68,87.92) v1(176.68,81.02) v1(176.78,81.72) v1(176.88,54.72) v1(176.88,42.52) v1(176.98,62.02) v1(177.08,83.12) v1(177.08,40.22) v1(177.08,29.32) v1(177.18,94.92) v1(177.24,77.14) v1(177.2,76.45) v1(177.18,60.42) v1(177.18,32.32) v1(177.28,31.02) v1(177.39,82.62) v1(177.38,37.82) v1(177.43,28.02) v1(177.48,16.22) v1(177.68,35.62) v1(177.78,50.82) v1(177.78,43.32) v1(177.88,69.82) v1(177.88,19.42) v1(177.98,64.92) v1(177.98,23.02) v1(178.08,84.52) v1(178.08,83.32) v1(178.08,45.52) v1(178.18,92.92) v1(178.18,39.12) v1(178.36,77.05) v1(178.28,41.42) v1(178.28,30.02) v1(178.38,94.92) v1(178.38,76.42) v1(178.38,49.62) v1(178.48,78.72) v1(178.48,36.32) v1(178.68,74.92) v1(178.68,68.22) v1(178.68,54.92) v1(178.68,44.22) v1(178.78,87.12) v1(178.78,62.02) v1(178.88,73.72) v1(178.88,63.12) v1(178.98,31.92) v1(178.98,23.52) v1(178.98,16.42) v1(179.18,35.82) v1(179.28,88.72) v1(179.28,66.72) v1(179.28,64.32) v1(179.28,30.92) v1(179.58,94.92) v1(179.58,83.92) v1(179.58,69.02) v1(179.68,85.32) v1(179.68,55.62) v1(179.78,91.32) v1(179.78,63.32) v1(179.96,60.92) v1(179.88,59.1) v1(179.87,57.98) v1(179.88,56.83) v1(179.88,50.82) v1(179.88,30.22) v1(179.98,93.52) v1(179.98,74.22) v1(180.04,55.04) v1(179.98,54.32) v1(179.98,49.12) v1(179.98,47.42) v1(180.18,80.42) v1(180.38,46.02) v1(180.38,41.12) v1(180.7,61.63) v1(180.68,43.82) v1(180.68,16.52) v1(180.78,94.92) v1(180.78,66.72) v1(180.78,64.12) v1(180.88,87.52) v1(180.88,73.62) v1(180.88,71.62) v1(180.88,28.72) v1(180.98,90.02) v1(180.98,84.82) v1(181.16,61.25) v1(181.18,60.62) v1(181.23,59.1) v1(181.2,57.99) v1(181.18,54.92) v1(181.18,52.52) v1(181.18,50.82) v1(181.18,48.52) v1(181.28,56.82) v1(181.28,55.62) v1(181.33,54.31) v1(181.38,92.22) v1(181.48,83.72) v1(181.48,28.42) v1(181.58,42.92) v1(181.68,24.12) v1(181.88,27.82) v1(181.98,80.52) v1(181.98,45.12) v1(182.08,97.22) v1(182.08,71.62) v1(182.08,68.32) v1(182.08,66.62) v1(182.08,25.22) v1(182.18,94.92) v1(182.18,88.82) v1(182.18,64.32) v1(182.18,41.42) v1(182.19,30.2) v1(182.28,84.72) v1(182.28,60.52) v1(182.28,16.52) v1(182.38,86.02) v1(182.41,55.04) v1(182.41,54.39) v1(182.43,33.57) v1(182.47,57.95) v1(182.48,56.82) v1(182.48,55.62) v1(182.48,50.82) v1(182.48,48.02) v1(182.48,26.62) v1(182.6,59.03) v1(182.88,93.52) v1(182.88,73.52) v1(183.18,61.52) v1(183.18,46.32) v1(183.18,43.92) v1(183.28,97.22) v1(183.28,68.22) v1(183.33,35.69) v1(183.38,69.82) v1(183.38,64.82) v1(183.38,28.02) v1(183.38,19.82) v1(183.48,80.42) v1(183.58,16.62) v1(183.68,56.82) v1(183.68,55.02) v1(183.68,40.72) v1(183.68,28.62) v1(183.78,45.72) v1(183.78,36.13) v1(183.88,83.62) v1(183.98,75.02) v1(184.04,62.4) v1(184.08,86.12) v1(184.24,42.7) v1(184.2,36.76) v1(184.18,24.62) v1(184.27,60.75) v1(184.28,30.32) v1(184.38,48.02) v1(184.38,46.82) v1(184.48,97.22) v1(184.48,88.92) v1(184.48,69.82) v1(184.48,66.72) v1(184.58,68.12) v1(184.58,50.72) v1(184.58,35.72) v1(184.68,92.32) v1(184.68,78.92) v1(184.68,57.98) v1(184.68,42.32) v1(184.78,77.32) v1(184.78,23.72) v1(184.88,44.82) v1(184.88,16.7) v1(184.98,22.42) v1(185.08,95.62) v1(185.18,75.72) v1(185.28,73.22) v1(185.36,63.44) v1(185.38,54.92) v1(185.42,43.39) v1(185.38,25.82) v1(185.73,93.59) v1(185.76,82.48) v1(185.68,42.82) v1(185.78,59.03) v1(185.78,19.02) v1(185.88,97.22) v1(185.88,28.72) v1(185.98,64.02) v1(185.98,16.82) v1(186.14,85) v1(186.12,83.9) v1(186.1,83.12) v1(186.08,67.32) v1(186.16,65.86) v1(186.08,62.7) v1(186.19,77.95) v1(186.24,77.4) v1(186.19,64.76) v1(186.18,23.52) v1(186.18,21.12) v1(186.28,74.42) v1(186.28,56.82) v1(186.28,55.52) v1(186.32,46.5) v1(186.3,45.4) v1(186.46,43.86) v1(186.38,31.92) v1(186.58,94.72) v1(186.58,63.02) v1(186.76,84.97) v1(186.79,83.88) v1(186.8,83.15) v1(186.83,65.83) v1(186.81,64.74) v1(186.78,43.32) v1(186.94,46.47) v1(186.88,18.22) v1(186.97,82.05) v1(186.98,76.12) v1(186.96,45.38) v1(186.98,27.42) v1(187.08,97.22) v1(187.36,77.95) v1(187.31,77.4) v1(187.28,24.62) v1(187.28,22.02) v1(187.28,17) v1(187.38,87.52) v1(187.38,86.42) v1(187.44,57.94) v1(187.38,50.32) v1(187.58,69.52) v1(187.58,30.02) v1(187.68,43.42) v1(187.68,26.62) v1(187.78,66.72) v1(188.11,25.25) v1(188.18,68.62) v1(188.18,28.82) v1(188.18,17.12) v1(188.28,97.22) v1(188.28,23.12) v1(188.38,88.72) v1(188.46,59.08) v1(188.38,38.52) v1(188.48,81.42) v1(188.48,62.62) v1(188.48,50.82) v1(188.48,46.82) v1(188.48,39.92) v1(188.54,25.7) v1(188.68,92.32) v1(188.68,76.32) v1(188.78,48.02) v1(188.78,43.22) v1(188.78,37.62) v1(188.78,36.82) v1(188.78,19.02) v1(188.88,94.72) v1(188.88,32.82) v1(188.88,32.02) v1(188.98,55.62) v1(188.98,24.44) v1(189.08,53.82) v1(189.09,39.8) v1(189.08,38.62) v1(189.08,21.72) v1(189.08,20.52) v1(189.18,86.01) v1(189.18,66.62) v1(189.28,77.82) v1(189.28,17.3) v1(189.38,90.62) v1(189.38,73.72) v1(189.38,24.92) v1(189.48,97.22) v1(189.48,71.42) v1(189.48,52.32) v1(189.58,55.02) v1(189.58,18.22) v1(189.68,28.52) v1(189.78,75.02) v1(189.78,37.62) v1(189.78,36.82) v1(189.88,94.02) v1(189.88,57.97) v1(189.88,32.82) v1(189.88,32.02) v1(189.98,93.12) v1(189.98,56.22) v1(190.08,27.22) v1(190.08,24.52) v1(190.48,53.62) v1(190.48,42.92) v1(190.47,27.62) v1(190.58,90.92) v1(190.68,22.72) v1(190.68,17.4) v1(190.78,78.42) v1(190.78,40.12) v1(190.82,38.31) v1(190.78,19.82) v1(190.88,97.22) v1(190.98,72.12) v1(190.98,38.92) v1(190.98,26.42) v1(191.08,55.82) v1(191.16,37.79) v1(191.18,40.72) v1(191.18,39.52) v1(191.28,95.22) v1(191.28,76.32) v1(191.38,52.52) v1(191.38,35.94) v1(191.38,35.32) v1(191.38,26.82) v1(191.48,91.72) v1(191.48,54.72) v1(191.48,32.12) v1(191.48,30.12) v1(191.78,90.52) v1(191.78,40.82) v1(191.78,39.12) v1(191.78,37.72) v1(191.78,25.22) v1(191.88,56.72) v1(191.88,17.62) v1(191.98,71.52) v1(192.08,72.72) v1(192.08,57.96) v1(192.08,42.92) v1(192.28,59.04) v1(192.38,77.62) v1(192.38,29.22) v1(192.38,22.92) v1(192.48,97.22) v1(192.5,36.08) v1(192.48,32.82) v1(192.68,48.02) v1(192.68,20.52) v1(192.78,95.22) v1(192.78,35.52) v1(192.78,27.92) v1(192.78,21.82) v1(192.98,91.12) v1(192.98,86.02) v1(193.08,17.7) v1(193.18,76.82) v1(193.28,71.92) v1(193.28,66.92) v1(193.41,36.7) v1(193.48,65.82) v1(193.58,69.92) v1(193.58,68.82) v1(193.58,50.22) v1(193.58,49.02) v1(193.68,97.22) v1(193.68,41.62) v1(193.79,36.22) v1(193.88,88.62) v1(193.88,29.22) v1(193.88,26.82) v1(193.98,52.82) v1(194.18,71.12) v1(194.28,51.62) v1(194.38,84.92) v1(194.38,33.92) v1(194.38,32.82) v1(194.48,95.22) v1(194.48,46.82) v1(194.58,89.92) v1(194.58,87.52) v1(194.58,22.82) v1(194.78,69.92) v1(194.78,68.02) v1(194.78,65.92) v1(194.78,49.22) v1(194.78,40.12) v1(194.78,19.42) v1(194.78,17.82) v1(194.88,97.22) v1(194.88,72.52) v1(194.98,56.82) v1(195.08,91.12) v1(195.08,75.92) v1(195.08,57.96) v1(195.18,86.22) v1(195.18,44.52) v1(195.18,20.52) v1(195.28,82.62) v1(195.28,63.52) v1(195.28,21.72) v1(195.38,77.12) v1(195.58,71.42) v1(195.6,59.04) v1(195.58,41.52) v1(195.68,61.82) v1(195.68,48.42) v1(195.68,37.52) v1(195.75,23.98) v1(195.78,81.52) v1(195.78,52.92) v1(195.77,25.07) v1(195.98,46.32) v1(195.98,43.02) v1(195.98,26.62) v1(196.08,67.22) v1(196.08,19.02) v1(196.18,95.22) v1(196.28,97.22) v1(196.28,65.12) v1(196.38,40.02) v1(196.38,34.22) v1(196.39,25.05) v1(196.41,23.95) v1(196.48,83.62) v1(196.48,77.72) v1(196.48,61.82) v1(196.68,57.96) v1(196.88,85.22) v1(196.88,63.32) v1(196.88,18.1) v1(196.98,28.92) v1(197.08,51.42) v1(197.08,21.72) v1(197.08,20.52) v1(197.18,77.02) v1(197.18,48.72) v1(197.18,46.52) v1(197.18,42.72) v1(197.18,38.62) v1(197.28,70.62) v1(197.28,36.42) v1(197.32,35.78) v1(197.28,27.52) v1(197.38,89.92) v1(197.38,40.72) v1(197.48,97.22) v1(197.58,67.72) v1(197.68,28.32) v1(197.78,75.92) v1(197.78,72.22) v1(197.78,65.42) v1(197.98,86.82) v1(197.98,80.92) v1(197.98,52.42) v1(197.98,18.12) v1(198.08,95.72) v1(198.08,29.32) v1(198.18,90.72) v1(198.18,83.22) v1(198.18,26.62) v1(198.38,63.62) v1(198.39,36.43) v1(198.38,35.72) v1(198.48,43.02) v1(198.5,31.93) v1(198.58,21.72) v1(198.68,97.22) v1(198.76,58.39) v1(198.68,30.72) v1(198.78,92.62) v1(198.78,39.42) v1(198.89,60.68) v1(199.18,84.92) v1(199.18,82.12) v1(199.28,87.82) v1(199.28,20.22) v1(199.28,18.4) v1(199.43,36.46) v1(199.4,35.7) v1(199.42,30.83) v1(199.48,42.12) v1(199.48,40.32) v1(199.58,94.22) v1(199.58,79.32) v1(199.88,97.22) v1(200.06,59.52) v1(200.18,91.22) v1(200.18,88.82) v1(200.48,84.92) v1(200.48,82.22) v1(200.48,41.02) v1(200.68,39.12) v1(200.78,18.42) v1(200.98,33.52) v1(201.18,34.42) v1(201.28,97.22) v1(201.28,92.52) v1(201.28,58.12) v1(201.28,51.52) v1(201.38,95.72) v1(201.38,40.12) v1(201.48,87.62) v1(201.48,85.62) v1(201.48,65.42) v1(201.53,46.48) v1(201.48,35.02) v1(201.58,89.82) v1(201.58,80.82) v1(201.61,37.47) v1(201.58,36.82) v1(201.68,98.32) v1(201.69,52.94) v1(201.88,83.72) v1(201.88,78.92) v1(201.88,77.32) v1(201.88,75.82) v1(201.88,70.52) v1(201.98,66.92) v1(202.08,60.32) v1(202.08,56.82) v1(202.18,99.5) v1(202.38,72.02) v1(202.38,68.32) v1(202.38,18.62) v1(202.48,91.32) v1(202.48,64.22) v1(202.48,58.82) v1(202.49,46.98) v1(202.68,66.12)